# KiCad board st296n_20741.kicad_pcb (continued)
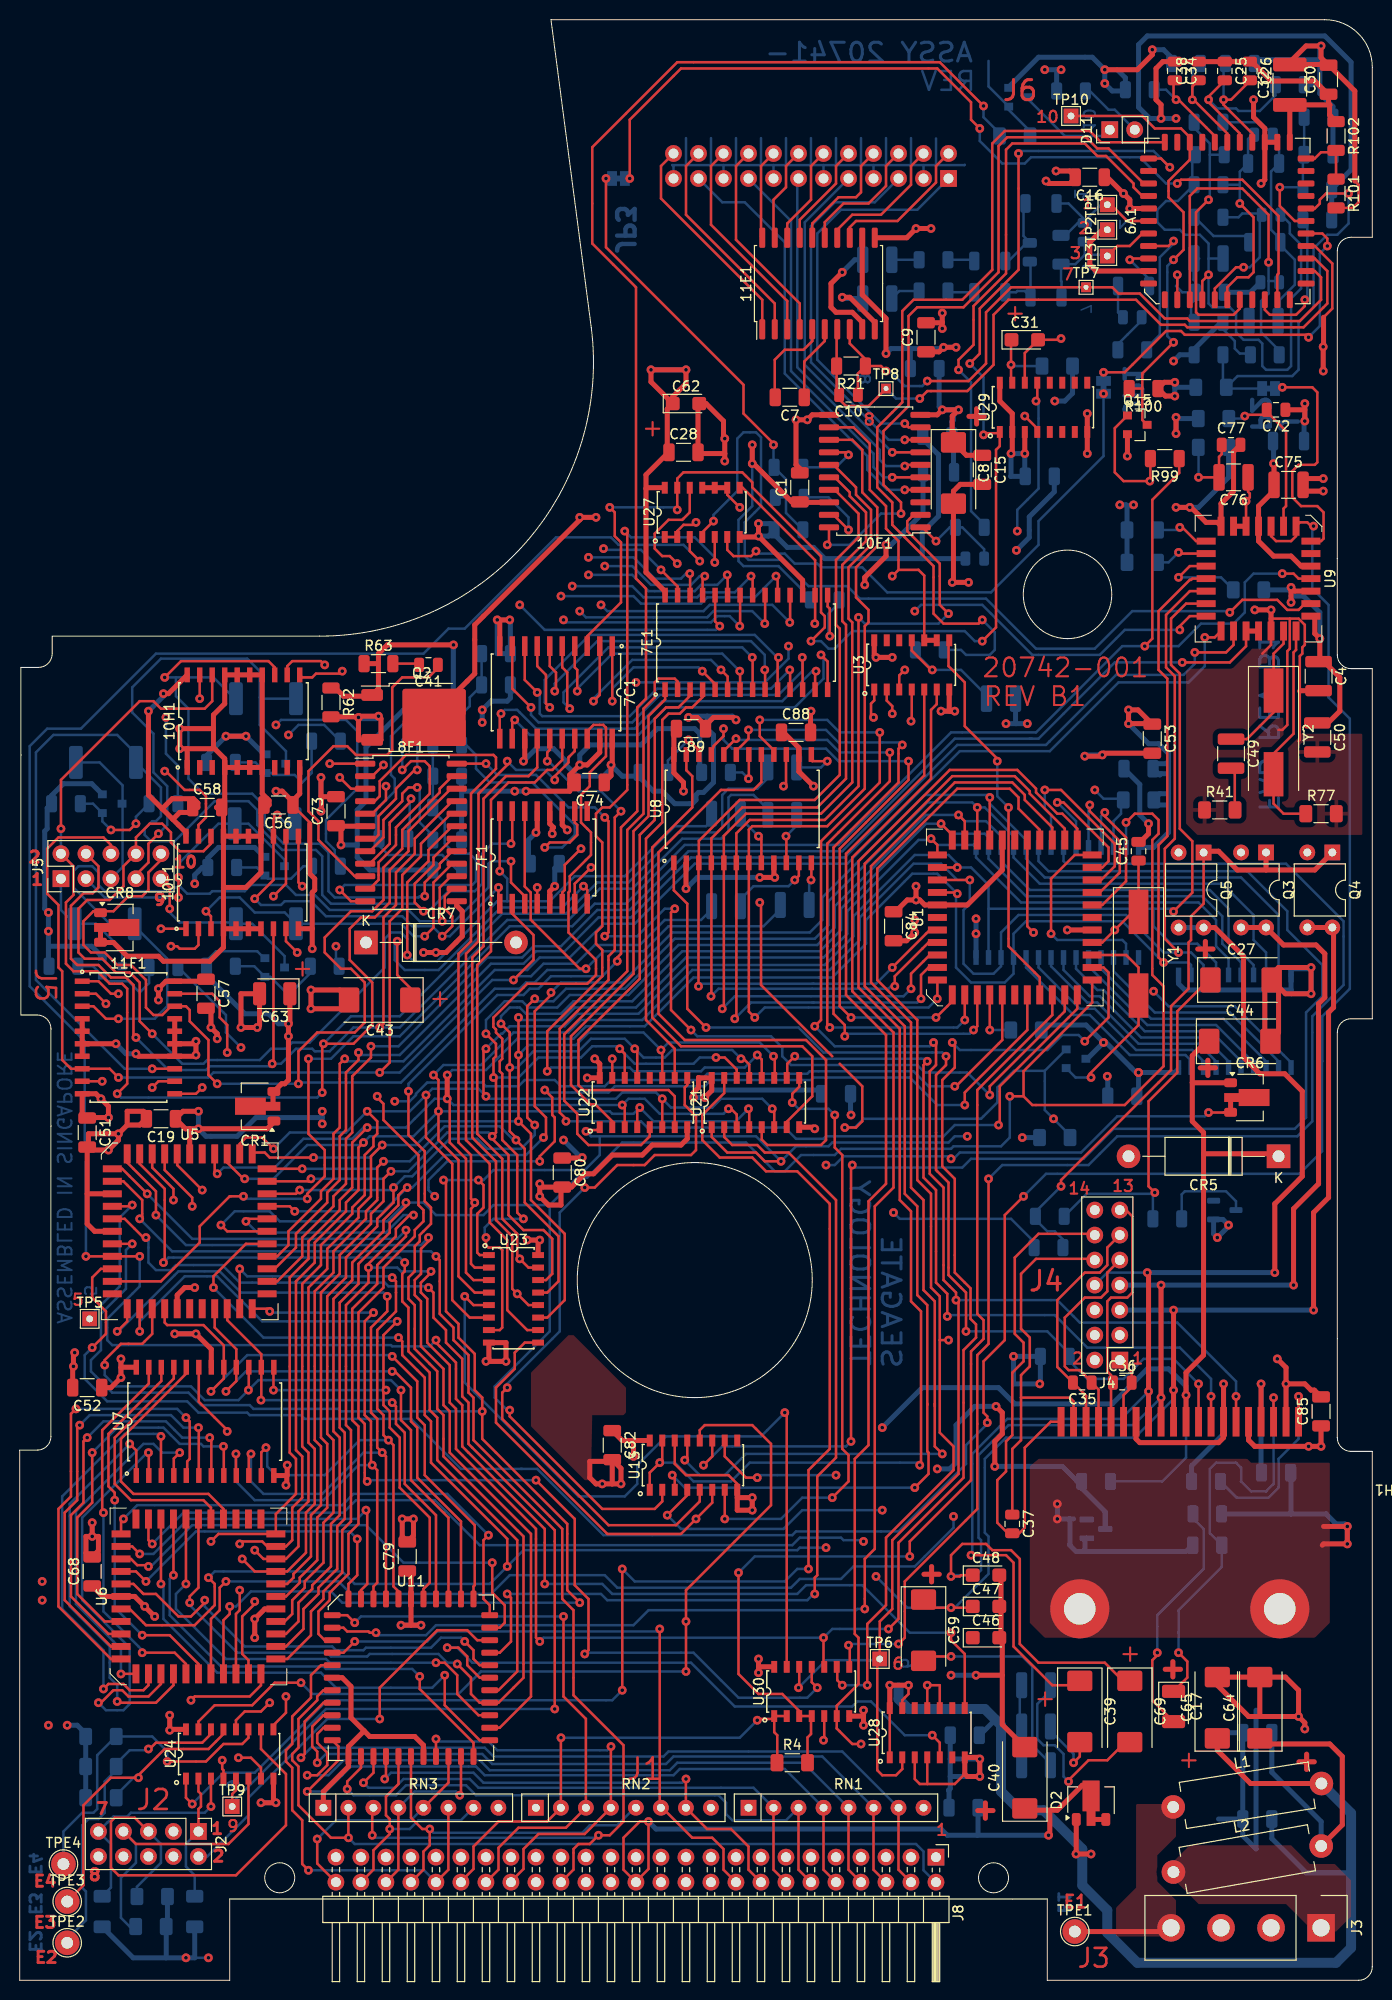
[diagram p0: board, top side]
## Routing (per net, layer and track width the routed paths; a pad name or vN(x,y) marks a point on that pad's centre or on a via; arc(x,y) is an arc through that point) (continued)
RDREFCLK: length 137.6
  Top w0.254: U5.30 26.16,70.99 28.7,73.53 28.7,75.44 31.88,78.61 31.88,79.63 33.15,80.9 33.15,85.47 33.78,86.11 33.78,91.82 35.69,93.73 v1(35.69,94.87) ; U9.21 124.59,135.51 122.94,133.86 v1(118.11,133.86)
  Top w0.508: U9.21 U9.22
  Bottom w0.254: 102.62,126.11 102.87,126.11 ; 102.62,126.11 103.5,126.11 111.25,133.86 v1(118.11,133.86) ; 102.62,126.11 95,126.11 83.57,114.68 67.95,114.68 61.98,108.71 58.67,108.71 54.99,105.03 52.2,105.03 51.05,103.89 47.5,103.89 38.48,94.87 v1(35.69,94.87)
READ_DATA: length 41
  Top w0.254: 6A1.24 131.57,179.96 132.08,180.47 132.08,180.85 132.72,181.48 v1(135,181.48)
  Bottom w0.254: R35.1 122.24,162.14 122.58,161.8 ; v1(135,181.48) 135,178.44 133.86,177.29 132.84,177.29 131.44,175.9 131.44,169.93 129.92,168.4 129.92,163.58 129.29,162.94 123.72,162.94 122.58,161.8 ; 122.58,161.8 122.71,161.67 126.22,161.67
RGATE2: length 248.9
  Top w0.254: v1(7.37,64.26) 8.76,65.66 8.76,67.95 7.37,69.34 7.37,71.37 8.26,72.26 U5.15 ; v1(98.3,56.64) 98.3,57.28 97.92,57.66 97.92,62.87 100.08,65.02 100.08,77.72 v1(101.98,79.63) ; U9.7 127.13,146.69 127.63,146.18 129.16,146.18 129.67,146.69 U9.5 130.06,148.08 130.81,148.08 131.19,147.7 v1(131.44,147.7)
  Bottom w0.254: v1(98.3,56.64) 98.3,56.52 96.14,54.36 96.14,52.45 89.28,45.59 78.87,45.59 78.49,45.21 59.31,45.21 52.58,51.94 50.93,51.94 ; v1(131.44,147.7) 131.32,147.57 131.32,141.35 132.97,139.7 132.97,130.3 135.13,128.14 135.13,100.71 132.33,97.92 132.33,93.34 132.31,93.32 132.31,84.2 130.02,81.92 104.27,81.92 v1(101.98,79.63) ; 50.93,51.94 44.83,51.94 39.75,57.02 28.96,57.02 28.58,57.4 23.37,57.4 23.11,57.66 18.16,57.66 17.02,58.8 8.89,58.8 6.6,61.09 6.6,63.5 v1(7.37,64.26) ; 50.93,51.94 51.05,51.94
RING: length 98.2
  Top w0.254: v1(98.55,89.92) 98.55,90.81 106.17,98.43 U1.16 ; v1(59.44,106.05) 59.82,106.43 59.82,117.73 v1(59.44,118.11) ; v1(68.2,96.52) 66.17,98.55 66.17,108.46 v1(66.55,108.84) ; v1(47.37,123.57) 44.4,123.57
  Bottom w0.254: v1(98.55,89.92) 96.27,92.2 91.95,92.2 91.19,92.96 78.36,92.96 77.47,93.85 77.47,94.74 76.33,95.89 68.83,95.89 v1(68.2,96.52) ; v1(47.37,123.57) 48.51,122.43 52.45,122.43 55.75,119.13 58.42,119.13 v1(59.44,118.11) ; v1(59.44,106.05) 62.74,106.05 65.53,108.84 v1(66.55,108.84)
RING_CLK: length 156.8
  Top w0.254: v1(36.32,89.79) 36.32,89.66 36.96,89.03 36.96,87.38 40.51,83.82 40.51,78.74 41.02,78.23 41.02,77.09 40.13,76.2 40.13,75.57 36.96,72.39 36.96,70.36 34.42,67.82 34.42,57.15 35.05,56.52 35.05,50.93 v1(35.31,50.67) ; v1(81.03,29.72) 80.46,30.28 U30.11 ; 8F1.1 v1(31.5,123.57) ; v1(52.45,50.8) 56.39,46.86 56.39,40.13 57.78,38.74 57.78,33.53 v1(57.4,33.15)
  In1.Cu w0.254: v1(31.5,123.57) 32.89,123.57 44.58,111.89 44.58,98.81 36.32,90.55 v1(36.32,89.79)
  Bottom w0.254: v1(52.45,50.8) 35.43,50.8 v1(35.31,50.67) ; v1(81.03,29.72) 80.01,28.7 73.03,28.7 68.45,33.27 57.53,33.27 v1(57.4,33.15)
RIWR1: length 97.3
  Top w0.254: v1(72.64,97.66) 72.81,97.83 U8.6 72.81,116.49 74.17,117.86 81.79,117.86 85.22,121.29 v1(85.22,138.43) ; v1(94.36,138.81) 93.47,139.7 93.47,143.89 90.17,147.19 90.17,148.21 90.81,148.84 10E1.2 ; U1.5 92.33,102.87 91.57,102.11 v1(91.57,99.7)
  Bottom w0.254: v1(85.22,138.43) 85.85,137.8 93.34,137.8 v1(94.36,138.81) ; 80.64,99.31 74.3,99.31 v1(72.64,97.66) ; 80.64,99.31 80.52,99.31 ; 80.64,99.31 91.19,99.31 v1(91.57,99.7)
RIWR2: length 94.5
  Top w0.254: v1(93.22,99.7) 93.23,99.71 U1.6 ; 10E1.13 84.58,156.46 85.6,155.45 85.6,151.13 87.12,149.61 87.12,145.67 84.96,143.51 84.96,140.46 86.23,139.19 86.23,137.92 85.85,137.54 85.85,121.03 82.04,117.22 74.42,117.22 74.08,116.88 U8.7 74.08,98.39 v1(74.68,97.79)
  Bottom w0.254: v1(74.68,97.79) 75.69,98.81 92.33,98.81 v1(93.22,99.7)
S0: length 50.4
  Top w0.254: U22.2 60.2,87.25 58.48,88.96 57.98,88.96 56.01,90.93 56.01,95.89 62.36,102.24 62.36,116.71 63.88,118.24 63.88,128.4 65.57,130.08 7E1.1
S1: length 62.8
  Top w0.254: U22.5 64.01,85.73 63.12,84.84 57.78,84.84 56.64,85.98 56.64,88.01 55.32,89.33 55.32,96.09 61.72,102.49 61.72,116.84 63.37,118.49 63.37,129.16 64.52,130.3 64.52,131.83 64.9,132.21 66.55,132.21 66.84,131.92 7E1.2
S2: length 59
  Top w0.254: 7E1.3 68.11,130.46 66.93,129.29 65.66,129.29 64.52,128.14 64.52,117.86 62.99,116.33 62.99,101.73 56.77,95.5 56.77,90.93 57.28,90.42 65.91,90.42 66.55,89.79 U22.7
S3: length 44.1
  Top w0.254: U22.10 66.55,94.62 63.63,97.54 63.63,115.95 65.28,117.6 65.28,128.02 65.91,128.65 67.06,128.65 67.69,129.29 68.33,129.29 69.38,130.34 69.38,131.09
SCSI_PIN: length 95.3
  Top w0.254: v1(49.53,39.24) 49.91,38.86 49.91,34.42 48.77,33.27 U11.36 ; U21.2 71.57,85.65 72.39,84.84 74.93,84.84 75.69,84.07 78.11,84.07 82.93,79.25 82.93,53.09 81.03,51.18 81.03,41.15 80.77,40.89 v1(80.77,39.24)
  Bottom w0.254: v1(49.53,39.24) 59.06,39.24 59.69,38.61 80.01,38.61 80.64,39.24 v1(80.77,39.24)
SERIAL_CLOCK: length 138.8
  Top w0.254: v1(96.01,88.9) 96.01,90.17 102.36,96.52 U1.13 ; v1(53.34,90.42) 54.1,89.66 54.1,87.88 54.36,87.63 54.36,85.22 52.83,83.69 v1(52.83,83.19) ; 8F1.3 33.66,121.03 v1(32.51,122.17)
  In1.Cu w0.254: v1(42.16,79.63) 41.78,80.01 41.78,81.66 36.58,86.87 36.58,88.27 35.05,89.79 35.05,92.08 36.07,93.09 37.72,93.09 43.94,99.31 43.94,111.12 32.89,122.17 v1(32.51,122.17)
  Bottom w0.254: v1(53.34,90.42) 53.59,90.17 59.82,90.17 60.45,90.81 69.6,90.81 70.23,91.44 80.39,91.44 80.64,91.69 90.42,91.69 93.22,88.9 v1(96.01,88.9) ; v1(42.16,79.63) 41.53,80.26 41.53,81.28 43.43,83.19 v1(52.83,83.19)
SERIAL_DATA: length 114.4
  Top w0.254: U1.11 99.82,95.5 95.12,90.81 v1(95,90.81) ; v1(36.96,123.44) 35.81,122.3 8F1.2
  In1.Cu w0.254: v1(36.96,123.44) 36.96,122.94 38.35,121.54 38.35,120.02 45.85,112.52 45.85,98.3 38.1,90.55 v1(38.1,89.28)
  Bottom w0.254: v1(38.1,89.28) 39.62,89.28 40.26,89.92 40.26,90.04 41.4,91.19 46.99,91.19 47.37,90.81 50.67,90.81 51.31,91.44 54.36,91.44 54.99,90.81 59.44,90.81 60.07,91.44 69.22,91.44 69.85,92.08 80.01,92.08 80.26,92.33 90.81,92.33 92.33,90.81 v1(95,90.81)
SYS_CLK2: length 62
  Top w0.254: U11.34 46.74,30.73 45.47,32 45.47,32.89 44.58,33.78 v1(43.43,33.78) ; v1(92.71,24.89) 93.47,24.13 U28.5
  Bottom w0.254: v1(92.71,24.89) 89.92,24.89 86.49,28.32 85.09,28.32 84.58,27.81 72.64,27.81 68.2,32.26 45.97,32.26 44.45,33.78 v1(43.43,33.78)
SYS_CLOCK: length 193.2
  Top w0.254: v1(87.38,126.75) 87.38,121.67 81.41,115.7 81.41,97.54 v1(80.77,96.9) ; U28.2 89.66,21.46 89.03,20.83 87.63,20.83 87.12,21.34 87.12,32.39 TP6.1 87.38,36.45 88.65,37.72 88.65,44.7 95.38,51.44 95.38,68.83 v1(95.12,69.09) 95.12,69.85 93.85,71.12 93.85,80.52 92.46,81.92 92.46,92.33 93.09,92.96 93.09,95 v1(92.84,95.25) ; v1(75.18,128.02) 75.18,126.37 76.62,124.93 U8.16 ; v1(79.12,29.72) 79.19,29.79 U30.12 ; 4H1.6 v1(123.57,59.31)
  Bottom w0.254: v1(80.77,96.9) 82.8,94.87 92.46,94.87 v1(92.84,95.25) ; v1(87.38,126.75) 83.31,126.75 82.04,128.02 v1(75.18,128.02) ; v1(123.57,59.31) 123.57,60.83 117.6,66.8 107.7,66.8 105.41,69.09 v1(95.12,69.09) ; v1(79.12,29.72) 81.92,32.51 87.25,32.51 TP6.1
VAA: length 158.4
  Top w0.254: 29.46,117.48 29.46,117.6 27.69,119.38 27.69,119.76
  Top w0.508: R62.2 34.36,128.33 v1(34.42,128.27) ; C63.1 27.45,97.3 v1(27.3,97.16) v1(27.3,95.89) 27.3,91.44 26.92,91.06 26.61,91.06 CR1.3 25.74,90.19 CR1.2 ; v1(34.42,128.27) 34.54,128.4 v1(36.45,128.4) 36.7,128.14 36.7,125.98 35.81,125.98 35.81,125.99 35.8,125.98 34.42,125.98 v1(34.42,128.27) ; 29.46,117.48 29.46,112.4 29.97,111.89 29.97,110.74 29.72,110.49 29.72,106.81 ; v1(26.04,120.78) 26.67,120.78 27.69,119.76 28.45,120.52 10H1.10 ; 29.72,106.81 v1(29.72,104.78) ; 29.72,106.81 28.32,106.81 ; v1(20.95,126.37) v1(22.99,126.37) ; 9.02,88.77 v1(9.02,87.63) 6.91,87.63 C51.1 6.35,88.09 11F1.10 7.75,90.04 v1(8.26,89.54) 9.02,88.77
  In2.Cu w0.508: v1(36.45,128.4) 46.36,128.4 v1(46.99,127.76) ; v1(34.42,128.27) 32.51,128.27 27.81,123.57 26.92,123.57 26.92,121.67 v1(26.04,120.78)
  Bottom w0.254: Q12.2 24.83,103.82 24.13,104.52 19.94,104.52 18.98,103.57 R38.1
  Bottom w0.508: R52.1 49.85,130.24 49.53,129.92 47.88,129.92 v1(46.99,129.03) v1(46.99,127.76) ; R38.1 18.98,102.05 22.86,98.17 25.27,98.17 26.29,97.16 v1(27.3,97.16) v1(27.3,95.89) ; 8.4,120.46 7.32,121.54 4.45,121.54 3.24,120.33 R20.1 2.79,119.06 2.79,116.97 2.54,116.71 2.54,108.84 v1(2.92,108.46) v1(2.92,106.55) 2.92,105.03 ; Q8.2 7.32,105.03 2.92,105.03 ; v1(34.42,128.27) 34.54,128.14 36.2,128.14 v1(36.45,128.4) ; Q11.2 24.83,124.52 v1(22.99,126.37) v1(20.95,126.37) 18.98,124.39 R37.1 ; 2.92,105.03 2.92,103.06 R14.1 ; Q9.2 24.83,114.11 23.88,115.06 20.19,115.06 19.11,113.98 R17.1 18.54,113.03 17.78,112.27 v1(17.78,111.38)
WDATA_IN: length 36.9
  Top w0.254: v1(132.84,176.15) 132.84,176.91 132.33,177.42 6A1.22 ; v1(130.94,166.88) 130.68,167.13 118.36,167.13 117.98,167.51 116.46,167.51 112.27,163.32 v1(110.11,163.32)
  Bottom w0.254: v1(130.94,166.88) 132.08,168.02 132.08,175.39 v1(132.84,176.15) ; JP1.2 v1(110.11,163.32)
WGATE2: length 184.8
  Top w0.254: U9.1 129.92,142.37 129.41,142.88 v1(128.27,142.88) ; v1(22.73,79.63) 21.34,79.63 18.29,76.58 18.29,74.93 14.35,70.99 U5.16 ; v1(29.21,79.38) 29.21,79.88 30.99,81.66 30.99,84.33 29.34,85.98 v1(29.34,93.6) ; v1(114.3,135.51) 115.06,136.27 115.06,150.37 117.79,153.1 R99.1
  Bottom w0.254: v1(128.27,142.88) 125.35,142.88 124.46,141.99 124.46,138.94 123.32,137.8 120.02,137.8 117.73,135.51 v1(114.3,135.51) 112.01,135.51 103.25,126.75 94.61,126.75 83.19,115.32 67.56,115.32 61.59,109.35 58.42,109.35 56.13,107.06 49.78,107.06 38.61,95.89 33.91,95.89 31.62,93.6 v1(29.34,93.6) ; v1(29.21,79.38) 22.99,79.38 v1(22.73,79.63)
WSL: length 158.7
  Top w0.254: v1(65.79,47.24) 67.82,49.28 U13.4 ; v1(117.86,137.16) 117.86,137.54 118.87,138.56 U9.18
  In1.Cu w0.254: 88.14,113.16 88.14,113.28 ; 88.14,113.16 88.14,104.9 89.66,103.38 89.66,102.49 89.15,101.98 88.14,101.98 88.01,101.85 88.01,82.8 91.19,79.63 91.19,56.39 87.63,52.83 v1(87.63,47.75) ; 88.14,113.16 88.14,119.63 92.08,123.57 92.08,128.78 90.93,129.92 v1(90.93,139.06)
  Bottom w0.254: v1(87.63,47.75) 79.5,47.75 77.6,45.85 67.18,45.85 v1(65.79,47.24) ; v1(90.93,139.06) 91.57,139.7 97.79,139.7 102.87,134.62 109.73,134.62 112.27,137.16 v1(117.86,137.16)
~{HDSEL1}: length 90.3
  Top w0.254: v1(68.96,100.97) 68.96,113.46 U8.3 69,115.73 73.15,119.89 80.77,119.89 83.31,122.43 83.31,137.29 82.93,137.67 82.93,144.27 85.22,146.56 85.22,148.97 82.8,151.38 10E1.17 ; U1.2 92.46,106.68 v1(88.65,102.87)
  Bottom w0.254: 80.64,101.22 80.52,101.22 ; 80.64,101.22 87,101.22 v1(88.65,102.87) ; 80.64,101.22 69.22,101.22 v1(68.96,100.97)
~{HDSEL2}: length 91.8
  Top w0.254: U1.3 92.33,105.41 88.9,101.98 v1(88.9,100.97) ; v1(70.23,99.95) 70.27,99.98 U8.4 70.27,115.99 73.41,119.13 81.03,119.13 83.95,122.05 83.95,137.67 83.57,138.05 83.57,143.76 85.98,146.18 85.98,149.1 84.33,150.75 84.33,151.13 82.8,152.65 10E1.16
  Bottom w0.254: v1(70.23,99.95) 70.99,100.71 88.27,100.71 88.52,100.97 v1(88.9,100.97)
~{HDSEL4B}: length 93.3
  Top w0.254: 10E1.15 82.68,153.92 84.96,151.64 84.96,150.88 86.49,149.35 86.49,145.8 84.2,143.51 84.2,138.3 84.58,137.92 84.58,121.67 81.41,118.49 73.79,118.49 71.54,116.24 U8.5 71.54,98.84 v1(71.37,98.68) ; U1.4 92.46,104.14 90.55,102.24 v1(90.55,100.71)
  Bottom w0.254: v1(71.37,98.68) 72.64,99.95 89.79,99.95 v1(90.55,100.71)
~{INDEX_CLEAR}: length 54.8
  Top w0.254: U21.7 77.92,87.2 80.52,89.79 80.52,93.85 79.5,94.87 67.18,94.87 64.26,97.79 64.26,115.06 68.33,119.13 68.33,122.3 67.73,122.9 U8.23
~{INDEX_SYNC}: length 77.1
  Top w0.254: v1(92.2,93.34) 91.82,92.96 91.82,81.53 93.09,80.26 93.09,70.87 94.23,69.72 v1(94.23,67.44) ; 77.98,91.65 77.98,93.09 v1(78.74,93.85) ; 4H1.8 v1(121.03,59.31)
  Bottom w0.254: v1(94.23,67.44) 94.36,67.56 105.16,67.56 108.46,64.26 117.86,64.26 121.03,61.09 v1(121.03,59.31) ; v1(92.2,93.34) 91.95,93.6 78.99,93.6 v1(78.74,93.85)
~{MCU_RD}: length 251
  Top w0.254: v1(22.99,77.09) 23.24,77.34 U5.35 ; v1(41.78,72.01) 41.78,71.88 40.75,70.85 40.75,69.86 41.4,69.22 41.4,64.77 43.69,62.48 43.69,58.67 44.32,58.04 44.32,53.98 52.45,45.85 52.45,34.8 v1(52.83,34.42) ; U1.19 110.11,102.87 110.62,102.36 110.62,97.79 v1(108.2,95.38) ; U6.18 27.18,32.64 29.59,35.05 29.59,37.47 30.86,38.74 30.86,39.5 32.77,41.4 32.77,45.72 33.66,46.61 33.66,55.88 33.15,56.39 33.15,68.58 35.43,70.87 v1(35.43,72.39) 35.43,72.77 38.21,75.55 38.21,76.33 39.61,77.72 v1(40,77.72) ; v1(94.74,95.25) 95,95 95,92.71 93.73,91.44 93.73,82.68 95,81.41 95,71.88 96.6,70.28 96.6,67.18 97.16,66.62 97.16,65.28 95.89,64.01 95.89,51.05 89.28,44.45 89.28,36.7 v1(88.27,35.69) ; v1(81.66,34.8) 81.66,31.91 U30.10
  Bottom w0.254: v1(88.27,35.69) 82.55,35.69 v1(81.66,34.8) 53.21,34.8 v1(52.83,34.42) ; v1(22.99,77.09) 24.13,75.95 37.21,75.95 38.99,77.72 v1(40,77.72) ; v1(41.78,72.01) 38.73,72.01 38.35,72.39 v1(35.43,72.39) ; v1(108.2,95.38) 107.57,96.01 105.92,96.01 104.39,94.49 95.5,94.49 v1(94.74,95.25)
~{MCU_WR}: length 258.8
  Top w0.254: v1(20.45,76.71) 21.08,76.07 U5.34 ; U1.18 108.95,99.3 101.98,92.33 101.98,89.79 ; U13.2 65.28,48.64 64.52,47.88 59.18,47.88 49.78,57.28 v1(49.78,57.91) ; 101.98,89.79 v1(100.58,89.79) ; 101.98,89.79 102.87,88.9 112.27,88.9 116.21,92.84 116.21,100.97 115.06,102.11 115.06,115.82 115.7,116.46 115.7,117.86 115.06,118.49 113.28,118.49 v1(112.4,117.6) ; v1(39.24,78.99) 39.24,78.61 37.59,76.96 37.59,75.95 34.42,72.77 34.42,70.74 32.51,68.83 32.51,56.13 33.02,55.63 33.02,46.86 32.26,46.1 32.26,41.78 30.35,39.88 30.35,39.24 28.83,37.72 28.83,35.69 27.05,33.91 U6.19
  Bottom w0.254: v1(112.4,117.6) U4.27 ; v1(20.45,76.71) 21.84,78.11 25.4,78.11 26.42,77.09 37.34,77.09 v1(39.24,78.99) 41.02,78.99 42.29,77.72 47.12,77.72 48.13,78.74 53.85,78.74 ; 53.85,78.74 53.85,65.91 48.26,60.33 48.26,59.18 49.53,57.91 v1(49.78,57.91) ; 53.85,78.74 56.64,81.53 57.66,81.53 61.21,85.09 73.79,85.09 76.71,82.17 77.72,82.17 79.38,83.82 82.8,83.82 83.44,84.46 94.61,84.46 94.87,84.71 99.69,84.71 100.58,85.6 v1(100.58,89.79)
~{PARITY_ERR}: length 42.4
  Top w0.254: v1(36.58,26.54) 36.58,29.72 42.42,35.56 45.47,35.56 46.48,34.54 U11.37
  Bottom w0.254: v1(36.58,26.54) 31.24,26.54 23.24,18.54 23.24,16.76 19.05,12.58 J2.2
~{RETRACT}: length 146.5
  Top w0.254: v1(66.8,149.35) U27.13 66.8,152.53 67.44,153.16 73.41,153.16 74.42,152.15 74.42,151.64 81.41,144.65 81.41,138.94 81.79,138.56 81.79,137.41 v1(80.39,136.02) ; v1(97.92,156.97) 98.08,157.14 99.57,157.14 99.57,155.83 99.19,155.45 99.19,137.41 v1(97.79,136.02) ; v1(101.47,185.55) 101.47,173.74 97.54,169.8 97.54,165.23 v1(96.52,164.21) ; 7C1.3 57.66,136.53 61.09,139.95 61.09,146.05 60.45,146.69 60.45,149.1 v1(59.94,149.61) ; v1(116.84,184.15) 115.95,185.04 114.68,185.04
  Bottom w0.254: v1(66.8,149.35) 66.55,149.61 v1(59.94,149.61) ; v1(96.52,164.21) 97.92,162.81 v1(97.92,156.97) ; v1(80.39,136.02) 81.41,136.02 82.17,135.25 82.8,135.25 84.58,137.03 96.01,137.03 97.03,136.02 v1(97.79,136.02) ; v1(116.84,184.15) 115.19,185.8 101.73,185.8 v1(101.47,185.55)
~{SRST}: length 106.4
  Top w0.254: U1.15 104.9,98.04 97.28,90.42 97.28,67.69 97.92,67.06 97.92,65.15 96.65,63.88 96.65,50.8 90.42,44.58 v1(90.42,43.05) ; R4.2 80.04,24.66 80.39,25.02 80.39,26.76 U30.4 U30.3 79.19,27.36 77.47,29.08 75.06,29.08 73.03,31.12 v1(73.03,41.4)
  Bottom w0.254: v1(90.42,43.05) 74.68,43.05 v1(73.03,41.4)
~{SYSRST}: length 365.3
  Top w0.254: v1(77.34,83.19) 75.69,83.19 74.8,84.07 71.88,84.07 70.3,85.65 U21.1 ; v1(102.11,158.88) 103.38,157.61 U29.4 ; U22.1 58.63,86.36 57.91,86.36 57.78,86.23 v1(57.53,86.23) ; 9.41,74.8 v1(11.43,74.8) ; v1(37.21,121.29) 37.21,119.89 35.81,118.49 8F1.5 ; v1(43.05,81.28) 43.31,81.03 43.31,67.95 44.58,66.68 44.58,65.28 46.23,63.63 46.23,59.94 46.99,59.18 v1(46.99,57.79) 46.99,54.99 55.63,46.36 55.63,39.62 v1(56.9,38.35) ; v1(21.34,37.97) 21.34,37.21 20.7,36.58 U6.14 ; v1(46.61,81.28) 47.12,80.77 47.12,78.49 46.48,77.85 46.48,73.91 46.74,73.66 U23.1
  In1.Cu w0.254: v1(37.21,121.29) 37.21,120.27 45.34,112.14 45.34,98.55 37.21,90.42 37.21,87.25 43.05,81.41 v1(43.05,81.28) ; v1(102.11,158.88) 103,157.99 103,146.81 102.49,146.3 100.97,146.3 100.2,145.54 100.2,132.59 98.42,130.81 98.42,122.94 101.47,119.89 101.47,118.75 99.57,116.84 99.57,95.76 96.9,93.09 96.9,86.36 v1(96.27,85.73)
  Bottom w0.254: v1(43.05,81.28) v1(46.61,81.28) 47.12,81.28 48.13,82.3 57.4,82.3 58.93,83.82 58.93,85.73 ; 58.93,85.73 74.8,85.73 v1(77.34,83.19) 78.87,84.71 82.17,84.71 82.55,85.09 94.36,85.09 95,85.73 v1(96.27,85.73) ; 58.93,85.73 58.04,85.73 v1(57.53,86.23) ; v1(21.34,37.97) 21.97,37.97 23.5,39.5 31.62,39.5 32.77,38.35 v1(56.9,38.35) ; v1(11.43,74.8) 10.8,74.17 10.8,70.23 8.26,67.69 8.26,64.01 7.24,62.99 7.24,61.85 9.4,59.69 17.15,59.69 18.41,58.42 23.37,58.42 23.75,58.04 32.38,58.04 32.64,57.79 v1(46.99,57.79)
~{WAM}/~{AMD}: length 132.9
  Top w0.254: U5.32 26.16,73.53 27.3,74.68 27.3,76.07 30.61,79.38 30.61,80.14 31.88,81.41 31.88,85.98 32.51,86.61 32.51,93.09 v1(33.02,93.6) ; U9.19 121.4,136.4 v1(120.4,136.4)
  Bottom w0.254: v1(33.02,93.6) 33.27,93.34 38.99,93.34 48.26,102.62 51.56,102.62 52.83,103.89 55.88,103.89 59.31,107.32 62.48,107.32 68.58,113.41 84.07,113.41 95.5,124.84 104.65,124.84 111.63,131.83 118.75,131.83 120.4,133.48 v1(120.4,136.4)
~{WRT_FAULT}: length 39.9
  Top w0.254: v1(99.31,123.83) 99.31,124.08 96.01,127.38 96.01,131.83 94.36,133.48 94.36,136.03 U3.8 ; U1.14 103.63,101.85 100.46,105.03 v1(100.46,119.13)
  Bottom w0.254: v1(100.46,119.13) 99.31,120.27 v1(99.31,123.83)
Net-(4H1-RC): length 46.2
  Top w0.254: C17.1 118.62,30.75 118.62,32.39 v1(117.73,33.27) ; 4H1.3 v1(127.38,59.18)
  Bottom w0.254: v1(127.38,59.18) 127.38,50.42 126.62,49.66 125.09,49.66 124.08,50.67 124.08,52.07 123.57,52.58 121.54,52.58 120.9,51.94 120.9,45.42 C18.1 122.12,41.99 117.73,37.59 v1(117.73,33.27)
Net-(4H1-VCC): length 190.9
  Top w0.508: v1(54.36,111.12) 53.85,110.62 7F1.5 ; 120.27,83.95 127.63,83.95 CR5.1 ; 120.27,83.95 120.27,63.5 118.49,61.72 118.49,56.73 ; 120.27,83.95 120.27,86.11 119.13,87.25 119.13,91.19 ; 120.84,95.63 119.13,93.92 119.13,91.19 ; 119.13,91.19 119.15,91.16 CR6.1
  In2.Cu w0.508: v1(87.63,56.13) 83.19,60.58 83.19,79.25 86.11,82.17 86.11,98.3 81.41,103 66.17,103 61.47,107.7 57.15,107.7 54.36,110.49 v1(54.36,111.12)
  Bottom w0.254: R54.2 116.08,50.67 118.49,53.09 v1(118.49,59.44)
  Bottom w0.508: v1(118.49,59.44) 118.49,60.33 116.71,62.1 114.55,62.1 111,58.55 101.09,58.55 99.44,60.2 91.69,60.2 v1(87.63,56.13) ; C87.1 54.36,112.95 v1(54.36,111.12)
Net-(6A1A-VCTAP): length 58.6
  Top w0.254: v1(95.38,163.58) 95.38,164.59 96.9,166.12 96.9,170.05 100.2,173.36 100.2,185.93 100.84,186.56 108.2,186.56 109.47,185.29 110.36,185.29 113.16,182.5 113.16,182.12 114.05,181.23 6A1.43
  Bottom w0.254: R9.1 97.98,147.89 96.65,149.23 96.65,162.31 v1(95.38,163.58)
Net-(6A1A-WDATA_IN-): length 15.1
  Top w0.254: v1(128.02,182.12) 128.02,180.21 129.54,178.69 6A1.23
  Bottom w0.254: v1(128.02,182.12) 130.11,182.12 R34.2 130.36,185.31 C78.1 130.49,185.43 R103.1
Net-(6A1A-WRITE_CUR): length 91.4
  Top w0.254: 6A1.16 127.76,173.23 127.89,173.36 127.89,179.2 124.21,182.88 117.98,182.88 v1(117.6,182.5) ; v1(97.54,188.09) 96.65,188.98 96.65,190.75 93.22,194.18 67.18,194.18 61.98,188.98 v1(61.98,183.01)
  Bottom w0.254: v1(117.6,182.5) 116.46,182.5 113.79,185.17 102.74,185.17 102.11,184.53 99.82,184.53 97.54,186.82 v1(97.54,188.09)
Net-(6A1A-~{WRT_FAULT}): length 91.1
  Top w0.254: 6A1.39 109.86,186.69 108.71,187.83 100.08,187.83 98.81,186.56 98.81,173.74 95.76,170.69 90.81,170.69 89.66,169.55 89.66,160.27 87.12,157.73 87.12,151.64 88.65,150.11 88.65,147.83 92.84,143.64 92.84,138.81 93.85,137.8 97.41,137.8 v1(97.79,138.18)
  Bottom w0.254: v1(97.79,138.18) 99.06,136.91 99.06,135.13 98.55,134.62 96.14,134.62 95.63,135.13 R8.2
Net-(6A1B-+ON): length 5.4
  Top w0.254: v1(112.78,174.75) 112.9,174.88 114.68,174.88
  Bottom w0.254: v1(112.78,174.75) 114.73,172.8 L8.1
Net-(6A1B--ON): length 14.9
  Top w0.254: 6A1.3 116.71,176.15 v1(117.22,176.66)
  Bottom w0.254: v1(117.22,176.66) 117.22,176.4 115.82,175.01 115.82,167.13 114.49,165.8 R25.1
Net-(6A1B-DI+): length 15.4
  Top w0.254: 110.24,180.98 112.52,178.69 6A1.1
  Bottom w0.254: L6.2 106.55,180.47 108.2,178.82 C14.1 ; C14.1 107.5,178.5 106.24,177.23 R24.1 ; C14.1 108.2,178.69 109.85,180.34 TP1.1
Net-(6A1B-DI-): length 15
  Top w0.254: 6A1.2 114.05,177.42 112.78,176.15 111.51,176.15 TP3.1
  Bottom w0.254: TP3.1 110.36,175.26 108.2,175.26 ; C14.2 108.2,175.26 ; 108.2,175.26 107.25,174.31 R24.2 105.79,172.59 105.84,172.54 L7.2
Net-(6A1B-DO+): length 13.1
  Top w0.254: 6A1.8 v1(117.6,173.23)
  Bottom w0.254: 119,168.28 119,170.31 119.44,170.75 R28.1 ; R28.1 118.11,171.45 117.47,172.09 117.6,172.21 v1(117.6,173.23) ; R28.1 119.44,172.53 119.25,172.72 119.25,174.31 119.83,174.88
Net-(6A1B-DO-): length 37.3
  Top w0.254: v1(126.87,174.5) 126.87,179.32 124.21,181.99 119.63,181.99 118.87,181.23 6A1.9
  Bottom w0.254: 128.02,165.1 128.02,165.48 126.11,167.39 126.11,168.53 ; 126.87,172.59 126.87,171.32 126.11,170.56 126.11,168.53 ; 126.87,172.59 128.21,172.59 ; 126.87,172.59 v1(126.87,174.5) ; 126.11,168.53 125.41,168.53
Net-(6A1C-+C1): length 55.7
  Top w0.254: 6A1.10 120.14,172.59 v1(120.78,173.23)
  Bottom w0.254: 120.78,174.88 v1(120.78,173.23) 120.78,170.31 121.16,169.93 122.94,169.93 123.57,169.29 123.57,167.39 124.33,166.62 125.86,166.62 126.24,166.24 126.24,163.96 126.62,163.58 128.78,163.58 129.16,163.96 129.16,170.81 130.18,171.83 130.18,176.28 129.03,177.42 129.03,178.44 128.14,179.32 C23.1 ; 120.78,174.88 120.78,176.4 119.89,177.29 118.36,177.29 117.86,177.8 116.33,177.8 115.57,178.56 115.57,179.83 116.46,180.72 117.66,180.72 R87.1 119.13,182.56 119.13,185.55 ; 120.78,174.88 121.73,174.88
Net-(6A1C-+C2): length 21.5
  Top w0.254: 6A1.12 122.68,171.96 123.7,172.97 124.84,172.97 125.35,173.48 125.35,179.07 v1(123.95,180.47)
  Bottom w0.254: C67.1 125.22,187.45 124.79,187.02 L10.1 123.95,183.69 123.95,182.37 ; v1(123.95,180.47) 123.95,182.37 ; 123.95,182.37 R87.2
Net-(6A1C--C1): length 15.6
  Top w0.254: v1(124.33,173.99) 123.57,173.99 121.41,171.83 6A1.11
  Bottom w0.254: R29.1 123.82,179.07 124.21,179.45 126.05,179.45 126.18,179.32 125.98,179.13 125.98,175.01 124.97,173.99 v1(124.33,173.99)
Net-(6A1C--C2): length 27.8
  Top w0.254: 6A1.13 123.95,169.8 123.32,169.16 119.76,169.16 119.51,169.42 119.51,179.58 v1(120.78,180.85)
  Bottom w0.254: 120.9,185.42 120.9,180.98 v1(120.78,180.85) ; 120.9,185.42 122.43,185.42 ; 120.9,185.42 120.9,186.56 119.31,188.15 R31.1
Net-(6A1C-GND): length 6.3
  Top w0.254: 130.68,185.04 131.57,185.04 132.21,185.67 133.54,185.67 R102.2 R101.1
Net-(6A1C-TMG1): length 10.9
  Top w0.254: 117.35,192.98 117.22,192.85 117.22,191.26 v1(117.47,191.01) 117.73,191.01 121.41,187.33 6A1.35
  Bottom w0.254: R51.1 116.46,192.02 v1(117.47,191.01)
Net-(6A1C-TMG2): length 12.1
  Top w0.254: 6A1.34 122.68,187.58 119.25,191.01 v1(119.13,191.01) 119.13,192.34 119.76,192.98
  Bottom w0.254: v1(119.13,191.01) 119.13,193.86 R53.1
Net-(6A1C-TMG3): length 17.3
  Top w0.254: 122.43,192.98 120.78,191.33 v1(120.78,191.01) 120.78,190.75 123.95,187.58 6A1.33
  Bottom w0.254: v1(120.78,191.01) 121.67,190.12 123.57,190.12 123.82,189.87 125.98,189.87 127.57,191.45 R32.1
Net-(6A1C-TMG4): length 12.8
  Top w0.254: 124.97,192.98 124.97,192.91 123.06,191.01 v1(122.3,191.01) 122.3,190.5 125.22,187.58 6A1.32
  Bottom w0.254: v1(122.3,191.01) 122.3,194.5 R33B1.2
Net-(7F1-CT): length 33.6
  Top w0.254: v1(57.28,111.12) 57.66,110.74 7F1.8 ; C43.1 39.69,100.77 38.35,102.11 v1(38.35,105.54)
  Bottom w0.254: v1(38.35,105.54) 38.1,105.28 38.1,103.63 39.12,102.62 42.55,102.62 48.89,108.97 55.12,108.97 v1(57.28,111.12)
Net-(7F1-DRV): length 77.5
  Top w0.254: 7F1.7 56.39,111.38 v1(58.04,113.03)
  In2.Cu w0.254: v1(88.77,77.98) 87.63,79.12 87.63,99.19 81.92,104.9 66.55,104.9 58.42,113.03 v1(58.04,113.03)
  Bottom w0.254: R66.1 103.06,75 100.71,77.34 89.41,77.34 v1(88.77,77.98)
Net-(7F1-VC): length 94.4
  Top w0.254: CR6.3 122.32,88.16 122.3,88.14 v1(120.78,88.14) ; 7F1.4 v1(52.58,111)
  Top w0.508: CR6.2 123.02,89.57 CR6.3
  In2.Cu w0.254: v1(52.58,111) 52.58,110.74 58.17,105.16 62.86,105.16 65.66,102.36 73.53,102.36 81.92,93.98 v1(81.92,82.8)
  Bottom w0.254: v1(81.92,82.8) 82.8,82.8 83.69,83.69 94.36,83.69 v1(94.61,83.44) 94.87,83.44 95.5,84.07 107.82,84.07 111.51,87.76 120.4,87.76 v1(120.78,88.14)
Net-(7F1-VREF): length 45.3
  Top w0.254: 7F1.10 56.39,117.6 56.64,117.35 56.64,116.33 55.88,115.57 53.85,115.57 v1(53.34,115.06) ; 8F1.7 36.07,115.95 36.45,116.33 36.45,118.24 38.23,120.02 38.23,121.03 40.13,122.94 v1(40.39,122.94)
  Bottom w0.254: v1(53.34,115.06) 55.12,115.06 56.39,116.33 56.39,117.35 52.07,121.67 47.75,121.67 46.36,123.06 46.36,124.46 43.81,127 41.15,127 40.39,126.24 v1(40.39,122.94)
Net-(8F1-COMP): length 35.9
  Top w0.254: 8F1.10 34.04,112.14 30.35,115.82 30.35,117.73 29.34,118.75 29.34,122.81 31.88,125.35 33.27,125.35 34.16,124.46 37.34,124.46 37.85,124.97 37.85,131.32 38.86,132.33 41.53,132.33 42.48,133.28 C41.1
Net-(8F1-DAC_SET): length 15.4
  Top w0.254: 8F1.8 35.56,114.68 36.96,116.08 36.96,117.86 38.86,119.76 38.86,120.52 39.5,121.16 v1(40.39,121.16)
  Bottom w0.254: R57.2 41.97,116.27 40.64,117.6 40.64,120.9 v1(40.39,121.16)
Net-(8F1-DRV): length 13
  Top w0.254: v1(39.75,120.02) 39.75,119.76 37.59,117.6 37.59,115.44 35.56,113.41 8F1.9
  Bottom w0.254: R79.2 39.44,117.03 39.62,117.22 39.62,119.89 v1(39.75,120.02)
Net-(8F1-FB): length 36
  Top w0.254: v1(38.86,122.94) 39.75,123.83 41.15,123.83 41.66,123.32 41.66,120.52 38.23,117.09 38.23,115.32 36.46,113.55 36.46,111.77 35.56,110.87 8F1.11
  Bottom w0.254: R60.2 R52.2 46.92,131.51 45.72,130.3 45.72,129.41 44.07,127.76 40.64,127.76 38.86,125.98 v1(38.86,122.94)
Net-(8F1-RING_SET): length 33.8
  Top w0.254: v1(32.51,110.74) 33.66,109.6 8F1.12
  Bottom w0.254: R56.1 41.97,119.14 C60.2 41.96,118.82 43.18,117.6 43.18,115.44 44.2,114.43 45.72,114.43 46.36,113.79 46.36,111.63 45.97,111.25 33.02,111.25 v1(32.51,110.74)
Net-(10E1-IWR1): length 9.2
  Top w0.254: 10E1.19 82.68,148.84 v1(84.2,147.32)
  Bottom w0.254: v1(84.2,147.32) 84.2,148.59 82.17,150.62 79.88,150.62 79.76,150.75
Net-(10E1-IWR2): length 7.2
  Top w0.254: 10E1.14 83.95,155.19 v1(84.2,154.94)
  Bottom w0.254: v1(84.2,154.94) 82.93,153.67 R1.1
Net-(10E1-VCTAP): length 9.5
  Top w0.254: 10E1.1 91.69,147.57 v1(93.09,146.18)
  Bottom w0.254: C3.2 97.98,145.35 95.76,147.57 R9.2 94.49,147.57 v1(93.09,146.18)
Net-(10E1-VHS): length 73.9
  Top w0.254: v1(89.53,148.97) 89.53,150.11 87.76,151.89 87.76,157.35 90.3,159.89 90.3,169.04 91.19,169.93 95.89,169.93 99.44,173.48 99.44,186.31 100.33,187.2 108.33,187.2 109.47,186.06 110.62,186.06 114.17,182.5 6A1.42 ; v1(82.04,145.8) 82.22,145.97 10E1.20
  Bottom w0.254: v1(82.04,145.8) 84.33,145.8 87.5,148.97 v1(89.53,148.97)
Net-(11E1-12V): length 25.4
  Top w0.508: C9.1 93.39,165.4 v1(93.85,165.86) v1(95.12,165.86) ; v1(88.01,165.23) 88.01,168.78 85.6,171.2 11E1.12
  Bottom w0.508: 90.42,165.74 93.73,165.74 v1(93.85,165.86) v1(95.12,165.86) ; 90.42,165.74 88.52,165.74 v1(88.01,165.23) ; 90.42,165.74 90.49,165.67 R1B1.2
Net-(11E1-DI+): length 68.4
  Top w0.254: R21.1 85.92,164.65 84.33,166.24 11E1.8 ; R21.1 87.5,163.96 v1(88.01,163.45) ; R21.1 85.15,163.19 C10.1 ; 6A1.19 131.57,173.61 132.21,172.97 132.21,170.69 130.05,168.53 118.87,168.53 118.62,168.78 116.33,168.78 113.79,171.32 111.63,171.32 111,171.96 TP7.1 100.71,171.96 98.17,169.42 98.17,164.21 96.39,162.43 v1(92.2,162.43)
  Bottom w0.254: v1(88.01,163.45) 88.39,163.45 89.92,161.93 91.69,161.93 v1(92.2,162.43)
Net-(11E1-DI-): length 73.5
  Top w0.254: 130.68,174.88 131.57,174.88 132.84,173.61 132.84,170.31 130.43,167.89 118.62,167.89 118.36,168.15 115.95,168.15 113.41,170.69 100.46,170.69 98.93,169.16 98.93,164.08 96.27,161.42 92.2,161.42 v1(91.44,160.66) ; TP8.1 86.23,159.89 83.95,159.89 83.25,160.59 C10.2 82.99,161.29 R21.2 82.99,167.62 11E1.7
  Bottom w0.254: v1(91.44,160.66) 89.03,160.66 TP8.1
